# KiCad board Leopold Replacement.kicad_pcb (continued)
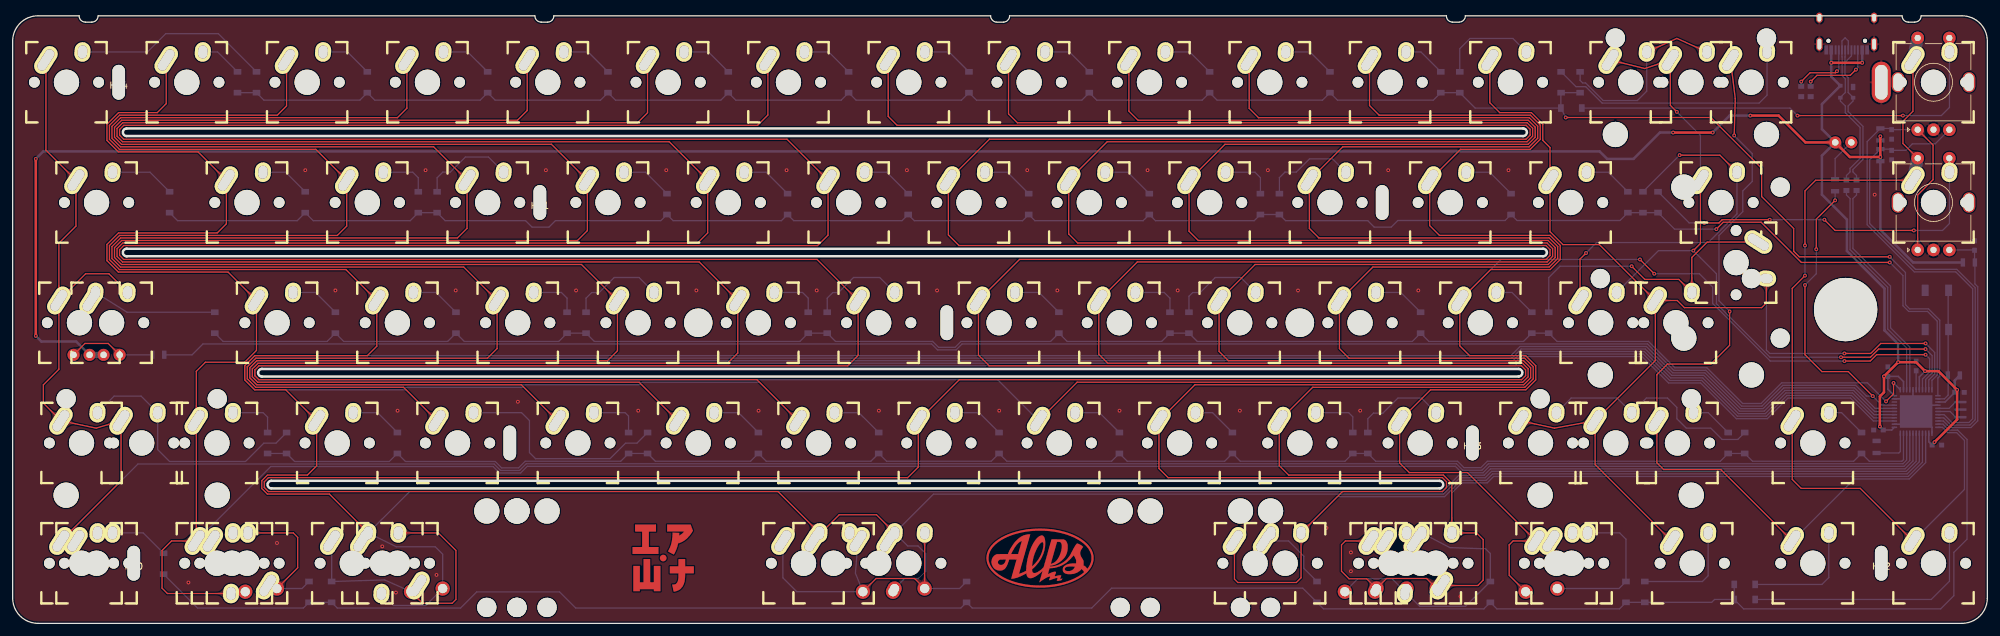
[diagram p0: board, top side]
## Copper pours and planes (outline as drawn; the poured copper is in the pictures) (continued)
Net-(D42-Pad2) on Bottom: 208.8,73.02 208.87,72.94 208.94,72.86 209,72.79 209.05,72.72 209.09,72.65 209.13,72.59 209.17,72.52 209.2,72.46 209.22,72.39 209.24,72.33 209.26,72.27 209.27,72.21 209.28,72.14 209.29,72.08 209.32,71.56 209.32,71.49 209.33,71.41 209.34,71.34 209.36,71.26 209.37,71.18 209.39,71.09 209.42,71.01 209.45,70.92 211.07,70.88 211.04,72.51 210.95,72.54 210.86,72.56 210.78,72.58 210.7,72.6 210.62,72.61 210.54,72.62 210.47,72.63 210.4,72.64 209.87,72.67 209.81,72.67 209.75,72.68 209.69,72.7 209.62,72.71 209.56,72.73 209.5,72.76 209.43,72.79 209.37,72.82 209.3,72.86 209.23,72.91 209.16,72.96 209.09,73.02 209.02,73.08 208.94,73.16
Net-(D43-Pad2) on Bottom: 217.87,52.42 217.77,52.42 217.67,52.42 217.57,52.43 217.49,52.45 217.41,52.46 217.33,52.48 217.26,52.5 217.2,52.53 217.13,52.56 217.08,52.59 217.02,52.62 216.97,52.65 216.92,52.69 216.87,52.73 216.48,53.08 216.42,53.12 216.36,53.17 216.3,53.22 216.24,53.26 216.17,53.31 216.09,53.35 216.01,53.4 215.93,53.44 214.76,52.32 215.93,51.19 216.01,51.23 216.09,51.28 216.17,51.32 216.24,51.37 216.3,51.41 216.36,51.46 216.42,51.51 216.48,51.55 216.87,51.9 216.92,51.94 216.97,51.98 217.02,52.01 217.08,52.04 217.13,52.07 217.2,52.1 217.26,52.13 217.33,52.15 217.41,52.17 217.49,52.19 217.57,52.2 217.67,52.21 217.77,52.21 217.87,52.22
Net-(D44-Pad2) on Bottom: 208.37,33.41 208.26,33.41 208.16,33.41 208.07,33.42 207.98,33.44 207.9,33.45 207.83,33.47 207.76,33.49 207.69,33.52 207.63,33.55 207.57,33.58 207.51,33.61 207.46,33.64 207.41,33.68 207.36,33.72 206.97,34.07 206.92,34.11 206.86,34.16 206.8,34.21 206.73,34.25 206.66,34.3 206.59,34.34 206.51,34.39 206.42,34.43 205.25,33.31 206.42,32.18 206.51,32.22 206.59,32.27 206.66,32.31 206.73,32.36 206.8,32.4 206.86,32.45 206.92,32.5 206.97,32.54 207.36,32.89 207.41,32.93 207.46,32.97 207.51,33 207.57,33.03 207.63,33.06 207.69,33.09 207.76,33.12 207.83,33.14 207.9,33.16 207.98,33.18 208.07,33.19 208.16,33.2 208.26,33.2 208.37,33.21
Net-(D45-Pad2) on Bottom: 222.66,90.3 222.59,90.36 222.53,90.42 222.47,90.47 222.41,90.51 222.35,90.55 222.29,90.59 222.23,90.62 222.18,90.65 222.12,90.68 222.07,90.7 221.51,90.88 221.46,90.91 221.41,90.93 221.35,90.96 221.3,90.99 221.25,91.03 221.19,91.07 221.13,91.11 221.08,91.16 221.02,91.22 219.51,90.34 220.68,89.21 220.76,89.25 220.84,89.3 220.91,89.35 220.98,89.41 221.05,89.47 221.12,89.53 221.18,89.6 221.24,89.66 221.3,89.73 221.58,90.05 221.64,90.11 221.69,90.16 221.74,90.21 221.79,90.25 221.85,90.29 221.9,90.32 221.96,90.35 222.01,90.37 222.07,90.38 222.13,90.38 222.19,90.37 222.25,90.35 222.31,90.32 222.38,90.28 222.45,90.22 222.52,90.15
Net-(D46-Pad2) on Bottom: 232.13,71.43 232.02,71.43 231.92,71.43 231.83,71.44 231.75,71.46 231.67,71.47 231.59,71.49 231.52,71.51 231.45,71.54 231.39,71.57 231.33,71.6 231.28,71.63 231.22,71.66 231.17,71.7 231.12,71.74 230.73,72.09 230.68,72.13 230.62,72.18 230.56,72.23 230.49,72.27 230.42,72.32 230.35,72.36 230.27,72.41 230.18,72.45 229.01,71.33 230.18,70.2 230.27,70.24 230.35,70.29 230.42,70.33 230.49,70.38 230.56,70.42 230.62,70.47 230.68,70.52 230.73,70.56 231.12,70.91 231.17,70.95 231.22,70.99 231.28,71.02 231.33,71.05 231.39,71.08 231.45,71.11 231.52,71.14 231.59,71.16 231.67,71.18 231.75,71.2 231.83,71.21 231.92,71.22 232.02,71.22 232.13,71.23
Net-(D47-Pad2) on Bottom: 236.95,52.36 236.89,52.43 236.83,52.48 236.76,52.53 236.7,52.58 236.64,52.62 236.58,52.65 236.52,52.68 236.47,52.7 236.41,52.73 236.36,52.74 236.3,52.76 235.83,52.87 235.77,52.88 235.72,52.9 235.67,52.92 235.61,52.95 235.56,52.98 235.5,53.01 235.45,53.05 235.39,53.09 235.33,53.14 235.28,53.2 233.77,52.32 234.94,51.19 235.02,51.23 235.1,51.29 235.18,51.34 235.25,51.4 235.32,51.46 235.39,51.53 235.45,51.6 235.52,51.67 235.58,51.74 235.86,52.08 235.91,52.15 235.97,52.2 236.02,52.26 236.07,52.31 236.13,52.35 236.18,52.38 236.24,52.41 236.29,52.43 236.35,52.44 236.41,52.45 236.47,52.44 236.53,52.42 236.6,52.39 236.67,52.35 236.74,52.29 236.81,52.22
Net-(D48-Pad2) on Bottom: 223.06,35 223.13,34.92 223.2,34.84 223.25,34.77 223.31,34.7 223.35,34.63 223.39,34.57 223.43,34.5 223.45,34.44 223.48,34.37 223.5,34.31 223.52,34.25 223.53,34.19 223.54,34.12 223.55,34.06 223.58,33.54 223.58,33.47 223.59,33.39 223.6,33.32 223.61,33.24 223.63,33.16 223.65,33.07 223.68,32.99 223.71,32.9 225.33,32.86 225.3,34.49 225.21,34.52 225.12,34.54 225.03,34.56 224.95,34.58 224.87,34.59 224.8,34.6 224.72,34.61 224.65,34.62 224.13,34.65 224.07,34.65 224.01,34.66 223.94,34.68 223.88,34.69 223.82,34.71 223.76,34.74 223.69,34.77 223.63,34.8 223.56,34.84 223.49,34.89 223.42,34.94 223.35,35 223.27,35.06 223.2,35.14
Net-(D49-Pad2) on Bottom: 237.31,92.03 237.39,91.95 237.45,91.87 237.51,91.8 237.56,91.73 237.61,91.66 237.65,91.6 237.68,91.53 237.71,91.47 237.74,91.4 237.76,91.34 237.77,91.28 237.79,91.22 237.8,91.15 237.8,91.09 237.83,90.57 237.84,90.5 237.85,90.42 237.86,90.35 237.87,90.27 237.89,90.19 237.91,90.1 237.93,90.02 237.96,89.93 239.59,89.89 239.56,91.52 239.46,91.55 239.38,91.57 239.29,91.59 239.21,91.61 239.13,91.62 239.06,91.63 238.98,91.64 238.91,91.65 238.39,91.68 238.33,91.68 238.26,91.69 238.2,91.71 238.14,91.72 238.08,91.74 238.01,91.77 237.95,91.8 237.88,91.83 237.82,91.87 237.75,91.92 237.68,91.97 237.61,92.03 237.53,92.09 237.46,92.17
Net-(D50-Pad2) on Bottom: 251.14,71.43 251.03,71.43 250.93,71.43 250.84,71.44 250.76,71.46 250.68,71.47 250.6,71.49 250.53,71.51 250.46,71.54 250.4,71.57 250.34,71.6 250.29,71.63 250.23,71.66 250.18,71.7 250.13,71.74 249.74,72.09 249.69,72.13 249.63,72.18 249.57,72.23 249.5,72.27 249.43,72.32 249.36,72.36 249.28,72.41 249.19,72.45 248.03,71.33 249.19,70.2 249.28,70.24 249.36,70.29 249.43,70.33 249.5,70.38 249.57,70.42 249.63,70.47 249.69,70.52 249.74,70.56 250.13,70.91 250.18,70.95 250.23,70.99 250.29,71.02 250.34,71.05 250.4,71.08 250.46,71.11 250.53,71.14 250.6,71.16 250.68,71.18 250.76,71.2 250.84,71.21 250.93,71.22 251.03,71.22 251.14,71.23
Net-(D51-Pad2) on Top: 263.45,54.01 263.53,53.93 263.59,53.85 263.65,53.78 263.7,53.71 263.75,53.64 263.79,53.58 263.82,53.51 263.85,53.45 263.88,53.38 263.9,53.32 263.91,53.26 263.92,53.2 263.94,53.13 263.94,53.07 263.97,52.55 263.98,52.48 263.99,52.4 264,52.33 264.01,52.25 264.03,52.17 264.05,52.08 264.07,52 264.1,51.91 265.73,51.87 265.69,53.5 265.6,53.53 265.52,53.55 265.43,53.57 265.35,53.59 265.27,53.6 265.2,53.61 265.12,53.62 265.05,53.63 264.53,53.66 264.46,53.66 264.4,53.67 264.34,53.69 264.28,53.7 264.22,53.72 264.15,53.75 264.09,53.78 264.02,53.81 263.96,53.85 263.89,53.9 263.82,53.95 263.74,54.01 263.67,54.07 263.59,54.15
Net-(D51-Pad2) on Top: 273.3,60.19 273.41,60.18 273.5,60.18 273.6,60.17 273.68,60.16 273.76,60.14 273.84,60.12 273.91,60.1 273.98,60.07 274.04,60.04 274.1,60.01 274.15,59.98 274.2,59.95 274.26,59.91 274.3,59.87 274.7,59.52 274.75,59.48 274.81,59.43 274.87,59.38 274.94,59.34 275.01,59.29 275.08,59.25 275.16,59.2 275.24,59.16 276.41,60.29 275.24,61.41 275.16,61.37 275.08,61.32 275.01,61.28 274.94,61.23 274.87,61.19 274.81,61.14 274.75,61.09 274.7,61.05 274.3,60.7 274.26,60.66 274.2,60.62 274.15,60.59 274.1,60.56 274.04,60.53 273.98,60.5 273.91,60.47 273.84,60.45 273.76,60.43 273.68,60.42 273.6,60.4 273.5,60.39 273.41,60.39 273.3,60.39
Net-(D51-Pad2) on Top: 265.18,54.81 265.18,54.7 265.18,54.6 265.17,54.51 265.15,54.42 265.14,54.34 265.12,54.27 265.1,54.2 265.07,54.13 265.04,54.07 265.01,54.01 264.98,53.95 264.95,53.9 264.91,53.85 264.87,53.8 264.52,53.41 264.48,53.35 264.43,53.3 264.38,53.23 264.34,53.17 264.29,53.1 264.25,53.02 264.2,52.95 264.16,52.86 265.28,51.69 266.41,52.86 266.37,52.95 266.32,53.02 266.28,53.1 266.23,53.17 266.18,53.23 266.14,53.3 266.09,53.35 266.05,53.41 265.7,53.8 265.66,53.85 265.62,53.9 265.59,53.95 265.55,54.01 265.52,54.07 265.5,54.13 265.47,54.2 265.45,54.27 265.43,54.34 265.41,54.42 265.4,54.51 265.39,54.6 265.39,54.7 265.38,54.81
Net-(D52-Pad2) on Bottom: 245.59,35.14 245.51,35.06 245.44,35 245.36,34.94 245.29,34.89 245.23,34.84 245.16,34.8 245.09,34.77 245.03,34.74 244.97,34.71 244.9,34.69 244.84,34.68 244.78,34.66 244.72,34.65 244.66,34.65 244.13,34.62 244.06,34.61 243.99,34.6 243.91,34.59 243.83,34.58 243.75,34.56 243.67,34.54 243.58,34.52 243.49,34.49 243.46,32.86 245.08,32.9 245.11,32.99 245.13,33.07 245.15,33.16 245.17,33.24 245.18,33.32 245.19,33.39 245.2,33.47 245.21,33.54 245.24,34.06 245.25,34.12 245.26,34.19 245.27,34.25 245.29,34.31 245.31,34.37 245.33,34.44 245.36,34.5 245.39,34.57 245.43,34.63 245.48,34.7 245.53,34.77 245.59,34.84 245.66,34.92 245.73,35
Net-(D52-Pad2) on Bottom: 253.95,35 254.02,34.92 254.09,34.84 254.15,34.77 254.2,34.7 254.24,34.63 254.28,34.57 254.32,34.5 254.35,34.44 254.37,34.37 254.39,34.31 254.41,34.25 254.42,34.19 254.43,34.12 254.44,34.06 254.47,33.54 254.47,33.47 254.48,33.39 254.49,33.32 254.51,33.24 254.52,33.16 254.54,33.07 254.57,32.99 254.6,32.9 256.22,32.86 256.19,34.49 256.1,34.52 256.01,34.54 255.93,34.56 255.85,34.58 255.77,34.59 255.69,34.6 255.62,34.61 255.54,34.62 255.02,34.65 254.96,34.65 254.9,34.66 254.84,34.68 254.77,34.69 254.71,34.71 254.65,34.74 254.58,34.77 254.52,34.8 254.45,34.84 254.38,34.89 254.31,34.94 254.24,35 254.17,35.06 254.09,35.14
Net-(D52-Pad2) on Bottom: 257.47,35.14 257.39,35.06 257.32,35 257.25,34.94 257.18,34.89 257.11,34.84 257.04,34.8 256.98,34.77 256.91,34.74 256.85,34.71 256.78,34.69 256.72,34.68 256.66,34.66 256.6,34.65 256.54,34.65 256.01,34.62 255.94,34.61 255.87,34.6 255.79,34.59 255.71,34.58 255.63,34.56 255.55,34.54 255.46,34.52 255.37,34.49 255.34,32.86 256.96,32.9 256.99,32.99 257.01,33.07 257.04,33.16 257.05,33.24 257.07,33.32 257.08,33.39 257.08,33.47 257.09,33.54 257.12,34.06 257.13,34.12 257.14,34.19 257.15,34.25 257.17,34.31 257.19,34.37 257.21,34.44 257.24,34.5 257.28,34.57 257.31,34.63 257.36,34.7 257.41,34.77 257.47,34.84 257.54,34.92 257.61,35
Net-(D53-Pad2) on Top: 260.38,91.45 260.29,91.41 260.19,91.37 260.11,91.34 260.02,91.32 259.94,91.3 259.87,91.29 259.79,91.28 259.72,91.27 259.65,91.27 259.59,91.28 259.52,91.28 259.46,91.29 259.4,91.31 259.34,91.32 258.84,91.48 258.77,91.5 258.7,91.52 258.62,91.53 258.54,91.55 258.46,91.56 258.38,91.57 258.29,91.58 258.19,91.58 257.59,90.08 259.11,89.53 259.17,89.61 259.23,89.68 259.28,89.75 259.32,89.82 259.36,89.89 259.4,89.96 259.43,90.02 259.46,90.09 259.68,90.57 259.71,90.62 259.74,90.68 259.77,90.73 259.81,90.78 259.85,90.83 259.9,90.89 259.95,90.94 260,90.98 260.06,91.03 260.13,91.08 260.2,91.13 260.28,91.17 260.37,91.22 260.47,91.27
Net-(D53-Pad2) on Top: 265.35,91.27 265.45,91.22 265.53,91.18 265.61,91.13 265.69,91.08 265.75,91.04 265.81,90.99 265.87,90.94 265.92,90.89 265.96,90.84 266.01,90.79 266.04,90.73 266.08,90.68 266.11,90.63 266.14,90.57 266.35,90.09 266.38,90.03 266.41,89.96 266.45,89.89 266.49,89.82 266.54,89.75 266.59,89.68 266.64,89.61 266.7,89.53 268.23,90.08 267.63,91.58 267.53,91.58 267.44,91.57 267.35,91.56 267.27,91.55 267.19,91.53 267.12,91.52 267.05,91.5 266.98,91.48 266.48,91.32 266.42,91.31 266.36,91.3 266.29,91.29 266.23,91.28 266.16,91.28 266.09,91.28 266.02,91.28 265.95,91.29 265.87,91.3 265.79,91.32 265.71,91.34 265.62,91.37 265.53,91.41 265.43,91.45
Net-(D53-Pad2) on Bottom: 258.25,87.85 258.26,87.95 258.26,88.05 258.27,88.14 258.29,88.23 258.3,88.31 258.32,88.39 258.34,88.46 258.37,88.52 258.4,88.58 258.43,88.64 258.46,88.7 258.49,88.75 258.53,88.8 258.57,88.85 258.92,89.24 258.96,89.3 259.01,89.36 259.06,89.42 259.1,89.48 259.15,89.55 259.19,89.63 259.24,89.71 259.28,89.79 258.15,90.96 257.03,89.79 257.07,89.71 257.12,89.63 257.16,89.55 257.21,89.48 257.25,89.42 257.3,89.36 257.35,89.3 257.39,89.24 257.74,88.85 257.78,88.8 257.82,88.75 257.85,88.7 257.88,88.64 257.91,88.58 257.94,88.52 257.97,88.46 257.99,88.39 258.01,88.31 258.02,88.23 258.04,88.14 258.05,88.05 258.05,87.95 258.06,87.85
Net-(D54-Pad2) on Top: 270.58,73.02 270.65,72.94 270.72,72.86 270.78,72.79 270.83,72.72 270.88,72.65 270.92,72.59 270.95,72.52 270.98,72.46 271,72.39 271.02,72.33 271.04,72.27 271.05,72.21 271.06,72.14 271.07,72.08 271.1,71.56 271.11,71.49 271.11,71.41 271.13,71.34 271.14,71.26 271.16,71.18 271.18,71.09 271.2,71.01 271.23,70.92 272.85,70.88 272.82,72.51 272.73,72.54 272.64,72.56 272.56,72.58 272.48,72.6 272.4,72.61 272.32,72.62 272.25,72.63 272.18,72.64 271.65,72.67 271.59,72.67 271.53,72.68 271.47,72.7 271.41,72.71 271.34,72.73 271.28,72.76 271.22,72.79 271.15,72.82 271.08,72.86 271.01,72.91 270.94,72.96 270.87,73.02 270.8,73.08 270.72,73.16
Net-(D54-Pad2) on Top: 247.53,53.54 247.53,53.43 247.52,53.33 247.51,53.24 247.5,53.15 247.48,53.07 247.46,53 247.44,52.93 247.41,52.86 247.39,52.8 247.36,52.74 247.32,52.68 247.29,52.63 247.25,52.58 247.21,52.53 246.87,52.14 246.82,52.08 246.77,52.03 246.73,51.96 246.68,51.9 246.63,51.83 246.59,51.75 246.55,51.68 246.5,51.59 247.63,50.42 248.75,51.59 248.71,51.68 248.66,51.75 248.62,51.83 248.57,51.9 248.53,51.96 248.48,52.03 248.43,52.08 248.39,52.14 248.04,52.53 248,52.58 247.96,52.63 247.93,52.68 247.9,52.74 247.87,52.8 247.84,52.86 247.81,52.93 247.79,53 247.77,53.07 247.76,53.15 247.74,53.24 247.73,53.33 247.73,53.43 247.73,53.54
Net-(D54-Pad2) on Bottom: 272.51,68.84 272.51,68.94 272.52,69.04 272.53,69.13 272.54,69.22 272.56,69.3 272.58,69.38 272.6,69.45 272.62,69.51 272.65,69.57 272.68,69.63 272.72,69.69 272.75,69.74 272.79,69.79 272.82,69.84 273.17,70.23 273.22,70.29 273.27,70.35 273.31,70.41 273.36,70.47 273.4,70.54 273.45,70.62 273.49,70.7 273.54,70.78 272.41,71.95 271.29,70.78 271.33,70.7 271.37,70.62 271.42,70.54 271.47,70.47 271.51,70.41 271.56,70.35 271.6,70.29 271.65,70.23 272,69.84 272.04,69.79 272.07,69.74 272.11,69.69 272.14,69.63 272.17,69.57 272.2,69.51 272.22,69.45 272.25,69.38 272.27,69.3 272.28,69.22 272.29,69.13 272.3,69.04 272.31,68.94 272.31,68.84
Net-(D55-Pad1) on Top: 15.49,43.72 15.54,43.66 15.59,43.61 15.64,43.55 15.68,43.5 15.71,43.45 15.74,43.4 15.77,43.35 15.79,43.3 15.81,43.25 15.83,43.2 15.84,43.15 15.92,42.45 15.93,42.39 15.95,42.33 15.96,42.27 15.98,42.2 16,42.13 17.24,42.11 17.22,43.35 17.15,43.37 17.08,43.39 17.02,43.4 16.96,43.42 16.9,43.43 16.19,43.51 16.15,43.52 16.1,43.54 16.05,43.55 16,43.58 15.95,43.6 15.9,43.64 15.85,43.67 15.8,43.71 15.74,43.75 15.69,43.81 15.63,43.86
Net-(D55-Pad1) on Top: 10.89,43.86 10.83,43.81 10.77,43.75 10.72,43.71 10.66,43.67 10.61,43.64 10.56,43.6 10.51,43.58 10.46,43.55 10.42,43.54 10.37,43.52 10.32,43.51 9.62,43.43 9.56,43.42 9.5,43.4 9.43,43.39 9.37,43.37 9.3,43.35 9.27,42.11 10.51,42.13 10.53,42.2 10.55,42.27 10.57,42.33 10.58,42.39 10.59,42.45 10.67,43.15 10.69,43.2 10.7,43.25 10.72,43.3 10.74,43.35 10.77,43.4 10.8,43.45 10.84,43.5 10.88,43.55 10.92,43.61 10.97,43.66 11.03,43.72
Net-(D55-Pad1) on Bottom: 18.81,42.55 18.73,42.55 18.65,42.55 18.58,42.56 18.51,42.57 18.45,42.58 18.4,42.59 18.34,42.61 18.29,42.63 18.24,42.65 18.2,42.67 18.16,42.69 17.6,43.13 17.55,43.17 17.5,43.2 17.44,43.24 17.38,43.27 17.32,43.3 16.43,42.45 17.32,41.59 17.38,41.62 17.44,41.65 17.5,41.69 17.55,41.72 17.6,41.76 18.16,42.2 18.2,42.22 18.24,42.24 18.29,42.26 18.34,42.28 18.4,42.3 18.45,42.31 18.51,42.32 18.58,42.33 18.65,42.34 18.73,42.34 18.81,42.35
Net-(D56-Pad2) on Bottom: 289.35,33.04 289.28,33.11 289.22,33.17 289.16,33.22 289.1,33.27 289.04,33.32 288.99,33.36 288.08,33.94 288.03,33.98 287.98,34.03 287.92,34.08 287.86,34.13 287.8,34.19 286.3,33.31 287.46,32.18 287.54,32.22 287.61,32.26 287.68,32.31 287.75,32.36 287.81,32.41 287.87,32.46 287.93,32.51 288.32,32.88 288.37,32.93 288.42,32.97 288.47,33.01 288.53,33.04 288.58,33.07 288.63,33.09 288.68,33.11 288.74,33.12 288.79,33.12 288.85,33.12 288.9,33.1 288.96,33.08 289.02,33.05 289.08,33.01 289.14,32.96 289.21,32.9
Net-(D57-Pad2) on Bottom: 277.26,87.85 277.27,87.95 277.27,88.05 277.28,88.14 277.3,88.23 277.31,88.31 277.33,88.39 277.35,88.46 277.38,88.52 277.41,88.58 277.44,88.64 277.47,88.7 277.5,88.75 277.54,88.8 277.58,88.85 277.93,89.24 277.97,89.3 278.02,89.36 278.07,89.42 278.11,89.48 278.16,89.55 278.2,89.63 278.25,89.71 278.29,89.79 277.17,90.96 276.04,89.79 276.08,89.71 276.13,89.63 276.17,89.55 276.22,89.48 276.26,89.42 276.31,89.36 276.36,89.3 276.4,89.24 276.75,88.85 276.79,88.8 276.83,88.75 276.86,88.7 276.89,88.64 276.92,88.58 276.95,88.52 276.98,88.46 277,88.39 277.02,88.31 277.03,88.23 277.05,88.14 277.06,88.05 277.06,87.95 277.06,87.85
Net-(D58-Pad2) on Bottom: 268.06,33.27 267.99,33.33 267.93,33.39 267.87,33.44 267.81,33.48 267.75,33.52 267.69,33.56 267.63,33.59 267.58,33.62 267.52,33.65 267.47,33.67 266.91,33.85 266.86,33.88 266.8,33.9 266.75,33.93 266.7,33.96 266.64,34 266.59,34.04 266.53,34.08 266.48,34.13 266.42,34.19 264.91,33.31 266.08,32.18 266.16,32.22 266.24,32.27 266.31,32.32 266.38,32.38 266.45,32.44 266.52,32.5 266.58,32.57 266.64,32.63 266.7,32.7 266.98,33.02 267.03,33.08 267.09,33.13 267.14,33.18 267.19,33.22 267.25,33.26 267.3,33.29 267.35,33.32 267.41,33.34 267.47,33.35 267.53,33.35 267.59,33.34 267.65,33.32 267.71,33.29 267.78,33.25 267.85,33.19 267.92,33.12
Net-(D59-Pad2) on Bottom: 18.27,14.4 18.16,14.4 18.06,14.4 17.97,14.41 17.88,14.43 17.8,14.44 17.73,14.46 17.66,14.48 17.59,14.51 17.53,14.54 17.47,14.57 17.41,14.6 17.36,14.63 17.31,14.67 17.26,14.71 16.87,15.06 16.82,15.1 16.76,15.15 16.7,15.2 16.63,15.24 16.56,15.29 16.49,15.33 16.41,15.38 16.32,15.42 15.15,14.3 16.32,13.17 16.41,13.21 16.49,13.26 16.56,13.3 16.63,13.35 16.7,13.39 16.76,13.44 16.82,13.49 16.87,13.53 17.26,13.88 17.31,13.92 17.36,13.96 17.41,13.99 17.47,14.02 17.53,14.05 17.59,14.08 17.66,14.11 17.73,14.13 17.8,14.15 17.88,14.17 17.97,14.18 18.06,14.19 18.16,14.19 18.27,14.2
Net-(D60-Pad2) on Top: 43.27,7.16 43.2,7.1 43.13,7.04 43.07,6.98 43,6.94 42.94,6.9 42.88,6.86 42.82,6.83 42.77,6.8 42.71,6.78 42.65,6.76 42.6,6.75 42.54,6.73 42.48,6.73 41.9,6.68 41.83,6.67 41.76,6.66 41.69,6.65 41.62,6.64 41.54,6.62 41.46,6.59 41.38,6.57 41.35,5.11 42.81,5.14 42.84,5.22 42.86,5.3 42.88,5.37 42.9,5.45 42.91,5.52 42.92,5.58 42.93,5.65 42.97,6.24 42.98,6.3 42.99,6.35 43.01,6.41 43.03,6.46 43.05,6.52 43.07,6.58 43.11,6.64 43.14,6.7 43.18,6.76 43.23,6.82 43.28,6.89 43.34,6.95 43.41,7.02
Net-(D60-Pad2) on Top: 39.65,14.4 39.55,14.4 39.45,14.4 39.36,14.41 39.27,14.43 39.19,14.44 39.11,14.46 39.04,14.48 38.98,14.51 38.92,14.54 38.86,14.57 38.8,14.6 38.75,14.63 38.7,14.67 38.65,14.71 38.26,15.06 38.2,15.1 38.14,15.15 38.08,15.2 38.02,15.24 37.95,15.29 37.87,15.33 37.79,15.38 37.71,15.42 36.54,14.3 37.71,13.17 37.79,13.21 37.87,13.26 37.95,13.3 38.02,13.35 38.08,13.39 38.14,13.44 38.2,13.49 38.26,13.53 38.65,13.88 38.7,13.92 38.75,13.96 38.8,13.99 38.86,14.02 38.92,14.05 38.98,14.08 39.04,14.11 39.11,14.13 39.19,14.15 39.27,14.17 39.36,14.18 39.45,14.19 39.55,14.19 39.65,14.2
Net-(D60-Pad2) on Bottom: 43.99,5.61 43.9,5.61 43.81,5.61 43.73,5.62 43.65,5.63 43.58,5.65 43.51,5.66 43.45,5.68 43.39,5.71 43.33,5.73 43.28,5.76 43.23,5.79 43.18,5.82 43.13,5.85 42.68,6.23 42.63,6.28 42.58,6.32 42.52,6.36 42.46,6.4 42.39,6.44 42.32,6.48 42.24,6.52 41.19,5.51 42.24,4.49 42.32,4.53 42.39,4.57 42.46,4.61 42.52,4.65 42.58,4.69 42.63,4.74 42.68,4.78 43.13,5.16 43.18,5.19 43.23,5.23 43.28,5.25 43.33,5.28 43.39,5.31 43.45,5.33 43.51,5.35 43.58,5.36 43.65,5.38 43.73,5.39 43.81,5.4 43.9,5.4 43.99,5.41
Net-(D61-Pad2) on Bottom: 306.08,87.85 306.08,87.95 306.09,88.05 306.1,88.14 306.11,88.23 306.13,88.31 306.15,88.39 306.17,88.46 306.19,88.52 306.22,88.58 306.25,88.64 306.28,88.7 306.32,88.75 306.35,88.8 306.39,88.85 306.74,89.24 306.79,89.3 306.83,89.36 306.88,89.42 306.93,89.48 306.97,89.55 307.02,89.63 307.06,89.71 307.11,89.79 305.98,90.96 304.86,89.79 304.9,89.71 304.94,89.63 304.99,89.55 305.03,89.48 305.08,89.42 305.13,89.36 305.17,89.3 305.22,89.24 305.57,88.85 305.61,88.8 305.64,88.75 305.68,88.7 305.71,88.64 305.74,88.58 305.77,88.52 305.79,88.46 305.81,88.39 305.83,88.31 305.85,88.23 305.86,88.14 305.87,88.05 305.88,87.95 305.88,87.85
Net-(D62-Pad2) on Bottom: 306.08,68.84 306.08,68.94 306.09,69.04 306.1,69.13 306.11,69.22 306.13,69.3 306.15,69.38 306.17,69.45 306.19,69.51 306.22,69.57 306.25,69.63 306.28,69.69 306.32,69.74 306.35,69.79 306.39,69.84 306.74,70.23 306.79,70.29 306.83,70.35 306.88,70.41 306.93,70.47 306.97,70.54 307.02,70.62 307.06,70.7 307.11,70.78 305.98,71.95 304.86,70.78 304.9,70.7 304.94,70.62 304.99,70.54 305.03,70.47 305.08,70.41 305.13,70.35 305.17,70.29 305.22,70.23 305.57,69.84 305.61,69.79 305.64,69.74 305.68,69.69 305.71,69.63 305.74,69.57 305.77,69.51 305.79,69.45 305.81,69.38 305.83,69.3 305.85,69.22 305.86,69.13 305.87,69.04 305.88,68.94 305.88,68.84
Net-(D63-Pad2) on Top: 64.59,3.49 64.53,3.56 64.47,3.62 64.41,3.69 64.37,3.75 64.33,3.81 64.29,3.87 64.26,3.93 64.23,3.99 64.21,4.05 64.19,4.1 64.18,4.16 64.16,4.21 64.15,4.27 64.11,4.86 64.1,4.93 64.09,4.99 64.08,5.07 64.07,5.14 64.05,5.21 64.02,5.29 64,5.37 62.54,5.4 62.57,3.94 62.65,3.92 62.73,3.89 62.8,3.87 62.87,3.86 62.95,3.85 63.01,3.84 63.08,3.83 63.67,3.79 63.73,3.78 63.78,3.76 63.84,3.75 63.89,3.73 63.95,3.71 64.01,3.68 64.07,3.65 64.13,3.61 64.19,3.57 64.25,3.53 64.32,3.47 64.38,3.41 64.45,3.35
Net-(D63-Pad2) on Top: 63.42,14.4 63.31,14.4 63.21,14.4 63.12,14.41 63.03,14.43 62.95,14.44 62.88,14.46 62.81,14.48 62.74,14.51 62.68,14.54 62.62,14.57 62.56,14.6 62.51,14.63 62.46,14.67 62.41,14.71 62.02,15.06 61.96,15.1 61.91,15.15 61.85,15.2 61.78,15.24 61.71,15.29 61.64,15.33 61.56,15.38 61.47,15.42 60.3,14.3 61.47,13.17 61.56,13.21 61.64,13.26 61.71,13.3 61.78,13.35 61.85,13.39 61.91,13.44 61.96,13.49 62.02,13.53 62.41,13.88 62.46,13.92 62.51,13.96 62.56,13.99 62.62,14.02 62.68,14.05 62.74,14.08 62.81,14.11 62.88,14.13 62.95,14.15 63.03,14.17 63.12,14.18 63.21,14.19 63.31,14.19 63.42,14.2
Net-(D63-Pad2) on Bottom: 60.84,5.83 60.93,5.79 61.01,5.75 61.08,5.7 61.15,5.66 61.21,5.62 61.26,5.58 61.31,5.53 61.36,5.49 61.4,5.44 61.44,5.4 61.47,5.35 61.5,5.3 61.53,5.25 61.78,4.72 61.82,4.66 61.85,4.6 61.89,4.54 61.93,4.48 61.97,4.41 62.02,4.35 62.07,4.28 63.45,4.78 62.9,6.13 62.81,6.13 62.73,6.12 62.65,6.11 62.58,6.1 62.51,6.08 62.44,6.07 62.38,6.05 61.81,5.88 61.76,5.87 61.7,5.86 61.64,5.86 61.58,5.85 61.52,5.85 61.46,5.86 61.39,5.87 61.32,5.88 61.25,5.89 61.18,5.91 61.1,5.94 61.01,5.97 60.92,6.01
Net-(D63-Pad2) on Bottom: 50.5,10.54 50.5,10.64 50.51,10.74 50.52,10.83 50.53,10.92 50.54,11 50.56,11.08 50.59,11.15 50.61,11.21 50.64,11.27 50.67,11.33 50.7,11.39 50.74,11.44 50.77,11.49 50.81,11.54 51.16,11.93 51.21,11.99 51.25,12.05 51.3,12.11 51.35,12.17 51.39,12.24 51.44,12.32 51.48,12.4 51.52,12.48 50.4,13.65 49.27,12.48 49.32,12.4 49.36,12.32 49.41,12.24 49.45,12.17 49.5,12.11 49.54,12.05 49.59,11.99 49.64,11.93 49.99,11.54 50.02,11.49 50.06,11.44 50.1,11.39 50.13,11.33 50.16,11.27 50.19,11.21 50.21,11.15 50.23,11.08 50.25,11 50.27,10.92 50.28,10.83 50.29,10.74 50.3,10.64 50.3,10.54
Net-(D64-Pad2) on Bottom: 267.96,11.81 267.96,11.91 267.97,12.01 267.98,12.1 267.99,12.19 268.01,12.27 268.03,12.35 268.05,12.42 268.07,12.48 268.1,12.54 268.13,12.6 268.16,12.66 268.2,12.71 268.23,12.76 268.27,12.81 268.62,13.2 268.67,13.26 268.71,13.32 268.76,13.38 268.81,13.44 268.85,13.51 268.9,13.59 268.94,13.67 268.98,13.75 267.86,14.92 266.73,13.75 266.78,13.67 266.82,13.59 266.87,13.51 266.91,13.44 266.96,13.38 267.01,13.32 267.05,13.26 267.1,13.2 267.45,12.81 267.49,12.76 267.52,12.71 267.56,12.66 267.59,12.6 267.62,12.54 267.65,12.48 267.67,12.42 267.69,12.35 267.71,12.27 267.73,12.19 267.74,12.1 267.75,12.01 267.76,11.91 267.76,11.81
Net-(D65-Pad2) on Bottom: 287.02,11.81 287.02,11.91 287.03,12.01 287.04,12.1 287.05,12.19 287.07,12.27 287.09,12.35 287.11,12.42 287.13,12.48 287.16,12.54 287.19,12.6 287.22,12.66 287.26,12.71 287.29,12.76 287.33,12.81 287.68,13.2 287.73,13.26 287.77,13.32 287.82,13.38 287.87,13.44 287.91,13.51 287.96,13.59 288,13.67 288.05,13.75 286.92,14.92 285.8,13.75 285.84,13.67 285.88,13.59 285.93,13.51 285.97,13.44 286.02,13.38 286.07,13.32 286.11,13.26 286.16,13.2 286.51,12.81 286.55,12.76 286.58,12.71 286.62,12.66 286.65,12.6 286.68,12.54 286.71,12.48 286.73,12.42 286.75,12.35 286.77,12.27 286.79,12.19 286.8,12.1 286.81,12.01 286.82,11.91 286.82,11.81
Net-(D66-Pad2) on Bottom: 306.08,11.81 306.08,11.91 306.09,12.01 306.1,12.1 306.11,12.19 306.13,12.27 306.15,12.35 306.17,12.42 306.19,12.48 306.22,12.54 306.25,12.6 306.28,12.66 306.32,12.71 306.35,12.76 306.39,12.81 306.74,13.2 306.79,13.26 306.83,13.32 306.88,13.38 306.93,13.44 306.97,13.51 307.02,13.59 307.06,13.67 307.11,13.75 305.98,14.92 304.86,13.75 304.9,13.67 304.94,13.59 304.99,13.51 305.03,13.44 305.08,13.38 305.13,13.32 305.17,13.26 305.22,13.2 305.57,12.81 305.61,12.76 305.64,12.71 305.68,12.66 305.71,12.6 305.74,12.54 305.77,12.48 305.79,12.42 305.81,12.35 305.83,12.27 305.85,12.19 305.86,12.1 305.87,12.01 305.88,11.91 305.88,11.81
